# KiCad board PETER.kicad_pcb (continued)
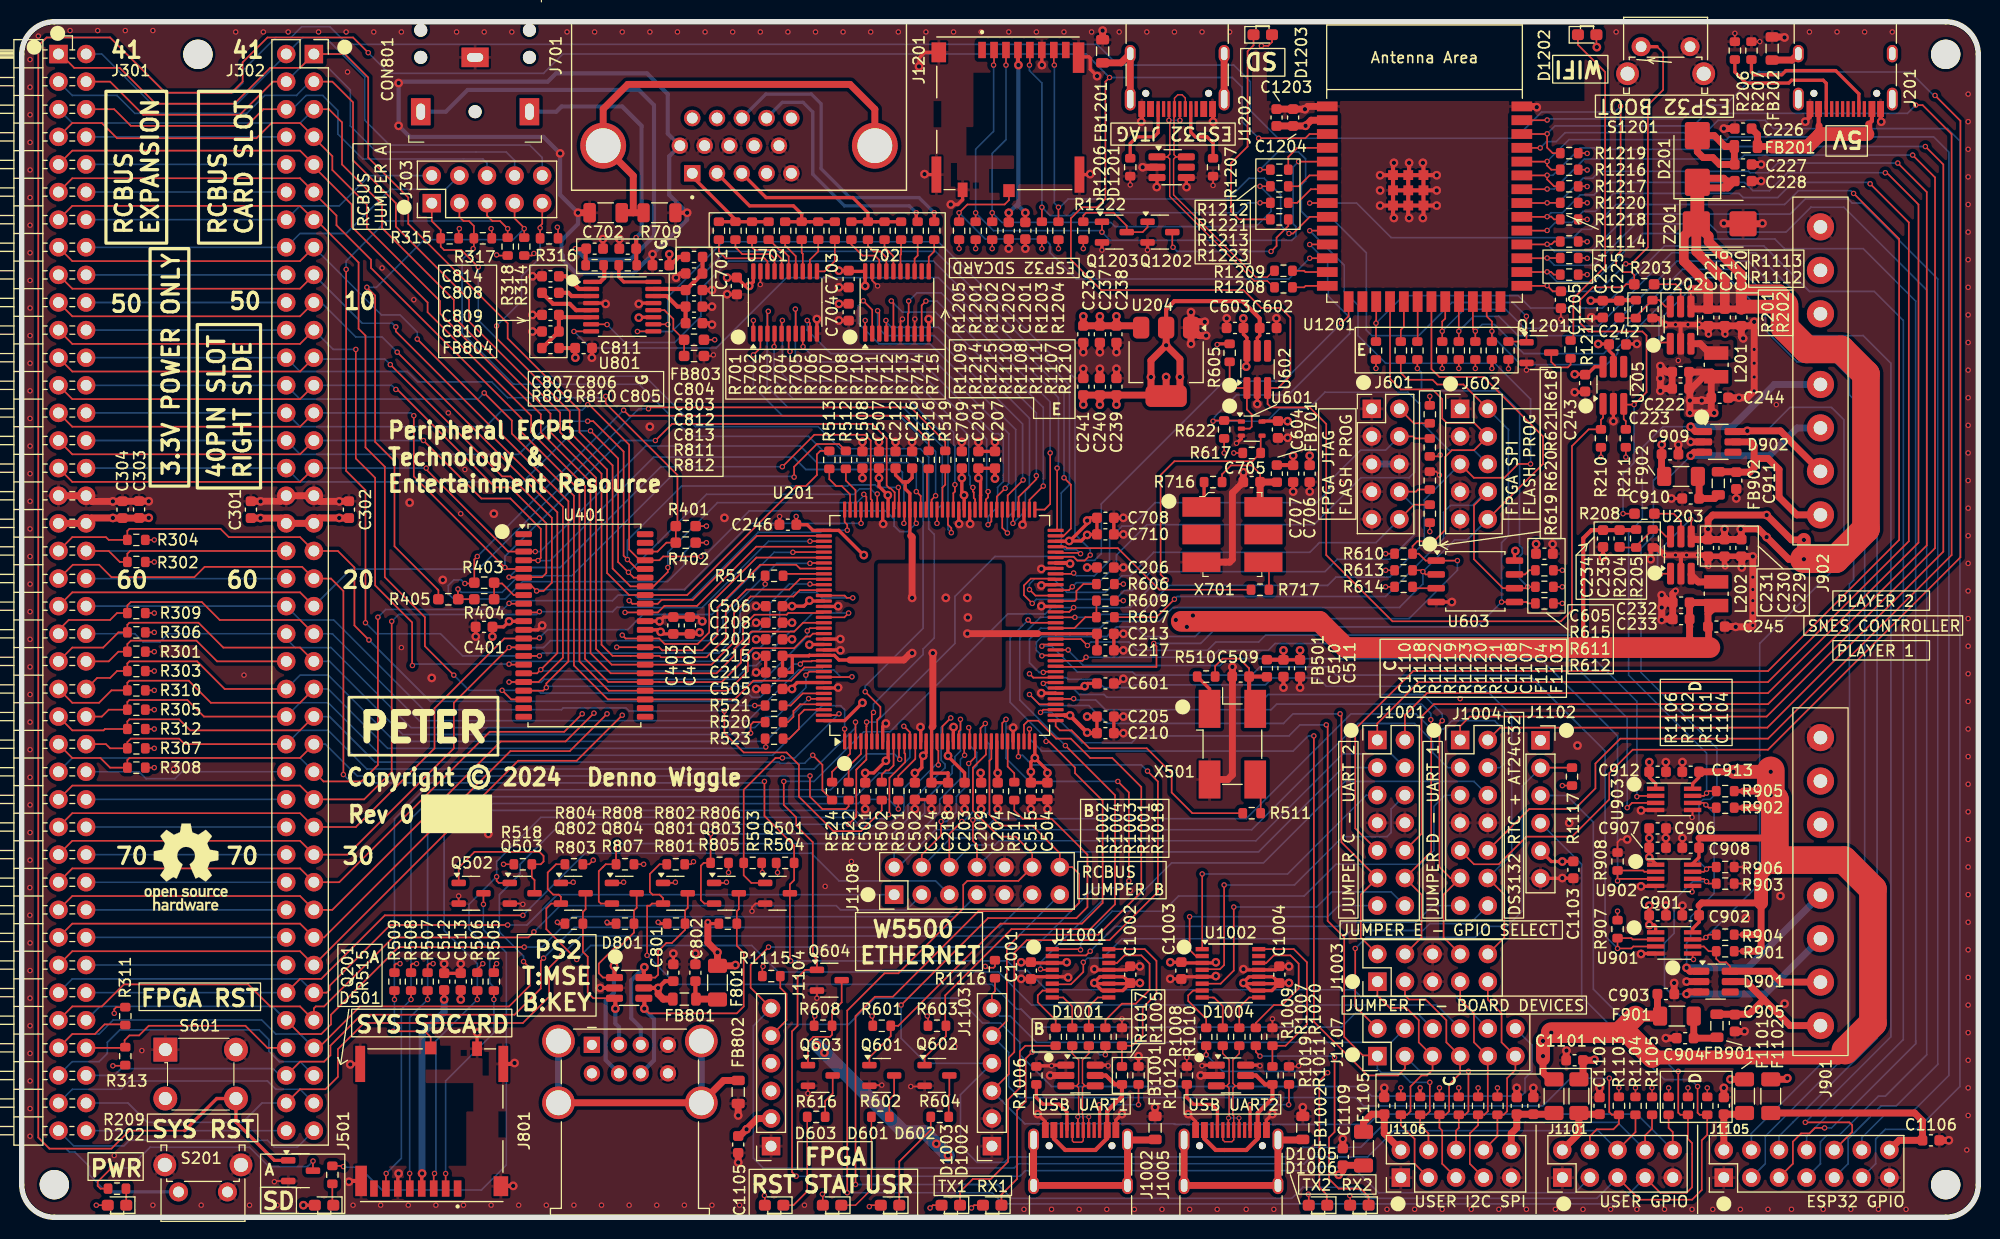
[diagram p0: board, top side]
## Routing (per net, layer and track width the routed paths; a pad name or vN(x,y) marks a point on that pad's centre or on a via; arc(x,y) is an arc through that point) (continued)
FPGA_CRESET_N: length 180.5
  Top w0.152: v2(105.28,58.64) 104.78,59.15 104.78,68.29 106.05,69.56 113.22,69.56 R617.2 113.98,71.79 U601.4 ; v2(96.77,56.1) 96.37,55.7 U201.57 ; v2(70.11,40.1) 70.11,37.94 71.25,36.8 71.25,36.03 72.77,34.51 72.77,24.1 73.15,23.72 73.15,23.59 73.16,23.58 Q604.1 72.07,22.76 71.37,22.06 71.37,17.62 70.87,17.11 70.87,4.16 v2(71.25,3.78)
  Bottom w0.152: J1101.3 142.88,2.25 124.84,2.25 122.43,4.67 119.13,4.67 118.75,4.28 92.33,4.28 91.82,3.78 v2(71.25,3.78) ; v2(105.28,58.64) 104.52,58.64 101.98,56.1 v2(96.77,56.1) 94.74,56.1 94.16,55.52 90.73,55.52 79.88,44.67 77.47,44.67 72.9,40.1 v2(70.11,40.1)
FPGA_GPIO0: length 57.6
  Top w0.152: J1003.2 123.19,25.75 123.19,29.69 J1001.11 121.41,34.51 121.41,46.19 v2(121.29,46.32) ; U201.40 93.61,47.2 v2(92.71,48.1)
  Bottom w0.152: v2(121.29,46.32) 116.97,46.32 116.08,45.43 116.07,45.44 99.82,45.44 98.17,47.08 93.73,47.08 v2(92.71,48.1)
FPGA_GPIO1: length 59.9
  Top w0.152: U201.41 96.76,47.7 v2(96.77,47.72) ; J1003.4 128.78,25.74 128.78,29.69 J1001.12 129.67,33.63 129.67,45.75 v2(129.64,45.78)
  Bottom w0.152: v2(96.77,47.72) 96.9,47.59 98.81,47.59 99.7,46.7 114.94,46.7 115.44,47.21 128.78,47.21 129.64,46.35 v2(129.64,45.78)
FPGA_GPIO2: length 64
  Top w0.152: v2(130.68,45.69) 130.43,45.43 130.43,32.22 131.44,31.21 J1004.11 130.81,29.69 130.81,25.75 J1003.8 ; v2(93.98,49.12) 94.07,49.2 U201.44
  Bottom w0.152: v2(93.98,49.12) 94.49,48.61 96.77,48.61 97.28,48.1 99.57,48.1 99.82,47.85 114.43,47.85 114.68,48.1 128.91,48.1 130.68,46.32 v2(130.68,45.69)
FPGA_GPIO3: length 73.4
  Top w0.152: J1003.10 136.4,25.74 136.4,29.69 J1004.12 ; v2(92.71,50) 93.06,49.65 94.9,49.65 94.95,49.7 U201.45
  Bottom w0.152: v2(92.71,50) 93.06,49.65 96.11,49.65 96.27,49.5 98.81,49.5 99.57,48.73 102.11,48.73 102.36,48.99 114.43,48.99 115.06,49.62 119.25,49.62 120.02,48.86 134.37,48.86 137.08,46.14 137.08,33.42 J1004.12
FPGA_GPIO4: length 81.8
  Top w0.152: v2(133.1,13.43) 133.1,9.75 132.78,9.43 132.21,9.43 ; J1107.3 127.26,13.68 126.62,13.05 123.83,13.05 118.87,18 v2(118.87,44.29) ; v2(92.71,44.92) U201.35 ; J1106.6 131.96,7.97 132.21,8.22 R1123.1
  Bottom w0.152: v2(92.71,44.92) 92.71,44.04 93.85,42.89 116.97,42.89 118.36,44.29 v2(118.87,44.29) ; v2(133.1,13.43) 128.65,13.43 J1107.3
FPGA_GPIO5: length 76.5
  Top w0.152: J1106.4 129.42,7.71 128.65,8.48 R1122.1 ; v2(120.02,45.31) 120.14,45.18 120.14,27.27 121.67,25.75 121.67,16.6 123.38,14.89 124.65,14.89 J1107.1 ; U201.39 93.98,46.7 v2(93.73,46.45) ; v2(129.54,12.41) 129.54,9.75 129.22,9.43 128.65,9.43
  Bottom w0.152: J1107.1 124.71,13.68 125.1,13.3 126.87,13.3 127.76,12.41 v2(129.54,12.41) ; v2(120.02,45.31) 117.6,45.31 116.59,44.29 102.74,44.29 102.11,43.66 97.54,43.66 94.74,46.45 v2(93.73,46.45)
FPGA_RESET_N: length 60.1
  Top w0.152: v2(118.49,89.5) 118.5,89.51 U1201.11 ; v2(109.6,73.25) 109.67,73.31 112.11,73.31 U601.1
  Bottom w0.152: v2(118.49,89.5) 120.14,87.85 120.14,85.44 120.21,85.37 120.21,84.74 122.17,82.77 122.17,81.31 116.52,75.66 111.76,75.66 109.73,73.63 109.73,73.37 v2(109.6,73.25) 114.55,73.25 115.7,74.39 118.37,74.39 119.9,75.91 127.51,75.91 128.52,74.9 128.65,74.9 128.65,73.25 131.33,70.57 133.61,70.57 J602.6
FPGA_SPI_CLK: length 83.5
  Top w0.152: v2(106.05,56.86) 104.39,55.21 R607.1 ; R1215.2 v2(128.4,78.1) ; R611.2 v2(138.56,58.01) 138.43,57.88 U603.6 136.27,57.88 133.61,60.55 133.61,65.5 J602.8
  Bottom w0.152: v2(128.4,78.1) 128.78,77.72 128.78,76.17 128.91,76.04 135.89,76.04 137.8,74.13 137.8,61.82 138.04,61.57 138.04,61.05 137.8,60.8 137.8,58.77 v2(138.56,58.01) ; v2(106.05,56.86) 106.3,57.12 125.48,57.12 130.81,62.45 130.81,64.86 131.45,65.5 133.48,65.5 134.74,66.76 J602.8
FPGA_SPI_CS_N: length 85.5
  Top w0.152: U201.49 93.9,51.7 v2(93.85,51.66) ; 125.73,84.1 U1201.18 125.88,77.16 126.87,76.17 129.8,76.17 130.68,75.28 130.68,73.5 131.07,73.11 133.61,73.11 J602.4 133.61,70.58 131.57,70.58 130.94,69.94 130.94,63.21 129.92,62.2 128.4,62.2 127.95,61.75 R610.2 128.52,61.05 129.16,60.42 U603.1 v2(132.08,60.42)
  Bottom w0.152: v2(132.08,60.42) 132.08,59.53 127.64,55.08 109.6,55.08 107.95,53.43 103.38,53.43 102.49,54.32 100.71,54.32 99.82,53.43 93.85,53.43 93.35,52.93 93.35,52.16 v2(93.85,51.66)
FPGA_SPI_MISO: length 83.5
  Top w0.152: U603.2 129.16,59.15 v2(128.91,59.4) 128.78,59.53 R613.2 ; v2(93.98,50.13) 94.05,50.2 U201.46 ; U1201.21 129.69,78.05 130.43,77.31 134.49,77.31 139.95,71.85 139.95,69.31 J602.10
  Bottom w0.152: J602.10 132.97,62.32 131.83,62.32 v2(128.91,59.4) 128.91,58.26 126.75,56.1 105.92,56.1 104.65,54.83 99.82,54.83 99.19,54.2 93.73,54.2 92.71,53.18 92.71,51.02 93.6,50.13 v2(93.98,50.13)
FPGA_SPI_MOSI: length 77.7
  Top w0.152: v2(136.14,56.61) U603.5 138.43,56.61 138.56,56.48 R612.2 ; U201.47 95.18,50.64 104.39,50.64 104.39,52.55 v2(104.14,52.8) ; J602.2 132.63,76.62 130.23,76.62 129.8,77.06 127.51,77.06 126.87,77.69 R1214.2
  Bottom w0.152: J602.2 136.78,72.47 136.78,62.7 136.14,62.07 v2(136.14,56.61) 133.86,54.32 109.98,54.32 108.46,52.8 v2(104.14,52.8)
FPGA_UART1_RX: length 71.2
  Top w0.152: v2(84.58,36.42) 84.58,35.15 82.8,33.36 J1108.4 ; U201.25 87.71,42.33 v2(87.12,41.75)
  Bottom w0.152: J1108.4 85.47,34.89 88.9,34.89 89.66,35.65 113.16,35.65 122.94,45.43 128.14,45.43 129.8,43.78 129.8,42.77 131.19,41.37 J1004.3 ; v2(87.12,41.75) 87.12,39.84 85.98,38.7 85.98,37.3 85.09,36.42 v2(84.58,36.42)
FPGA_UART1_TX: length 82.5
  Top w0.152: U201.23 86.71,42.55 v2(86.74,42.51)
  Bottom w0.152: v2(86.74,42.51) 86.36,42.13 86.36,40.35 84.46,38.45 84.46,37.3 80.9,33.75 80.52,33.75 80.26,33.49 J1108.2 80.64,32.22 84.08,35.65 88.52,35.65 89.54,36.67 112.65,36.67 122.3,46.32 128.27,46.32 129.67,44.92 130.81,44.92 131.57,45.69 135.51,45.69 136.4,44.8 136.4,41.75 136.02,41.37 J1004.4
FPGA_UART2_RX: length 57
  Top w0.152: U201.26 88.21,44.99 v2(88.65,45.43) ; v2(87.5,36.54) 87.5,34.64 87.88,34.26 J1108.8
  Bottom w0.152: v2(87.5,36.54) 88.2,36.54 89.03,37.37 89.03,43.53 88.65,43.91 v2(88.65,45.43) ; J1108.8 89.28,33.62 113.79,33.62 121.55,41.37 J1001.3
FPGA_UART2_TX: length 62.3
  Top w0.152: v2(86.49,36.42) 85.34,35.27 J1108.6 ; U201.24 87.21,44.97 v2(87.12,45.05)
  Bottom w0.152: J1108.6 87.38,34.26 89.54,34.26 89.92,34.64 113.54,34.64 121.54,42.64 125.98,42.64 J1001.4 ; v2(86.49,36.42) 86.62,36.42 87.5,37.3 87.5,41.2 87.86,41.55 87.86,42.77 87.22,43.4 87.22,44.95 v2(87.12,45.05)
GPIO0: length 23.9
  Top w0.152: J1106.3 128.14,4.92 128.14,7.21 126.87,8.48 R1118.1 127.45,9.43 127.76,9.75 127.76,12.03 128.78,13.05 129.29,13.05 129.8,13.56 J1107.5 128.52,16.1 128.52,18.13 127.38,19.27 125.86,19.27 124.72,20.41 J1003.1
GPIO1: length 22.8
  Top w0.152: J1106.5 130.68,4.92 130.68,7.97 130.43,8.22 R1119.1 131.01,9.43 131.32,9.75 131.32,12.22 132.33,13.24 J1107.7 131.06,16.1 131.06,18.13 129.16,20.03 127.64,20.03 127.26,20.41 J1003.3
GPIO2: length 20.6
  Top w0.152: J1003.7 132.34,20.03 133.61,18.76 133.61,16.1 J1107.9 134.88,9.75 134.56,9.43 R1120.1 133.99,8.48 133.22,7.71 133.22,4.92 J1106.7
GPIO3: length 18.1
  Top w0.152: J1003.9 134.88,20.03 136.14,18.76 136.14,16.1 J1107.11 137.42,13.56 136.65,12.79 136.65,9.75 136.34,9.43 R1121.1 135.76,7.46 J1106.8
MEM_A20_CE2_N: length 83
  Top w0.152: v2(40.77,58.31) 41.63,58.31 ; R402.1 v2(62.99,62.07) ; v2(41.91,60.8) 41.63,60.52 R403.1 ; R516.2 83.44,71.47 81.15,73.75 55.88,73.75 v2(55.37,74.26)
  Bottom w0.152: v2(55.37,74.26) v2(41.91,60.8) ; v2(40.77,58.31) 40.44,58.64 39.75,58.64 39.24,58.13 39.24,57.37 39.75,56.86 39.78,56.89 44.48,56.89 46.07,58.49 59.41,58.49 60.96,60.04 60.96,61.18 61.85,62.07 v2(62.99,62.07)
MEM_CE_CE2_N: length 44.6
  Top w0.152: v2(71.06,68.1) 71.06,69.05 73.15,71.14 75.19,71.14 R512.2 ; v2(40.13,57.8) 40.13,56.89 R405.1 R404.1
  Bottom w0.152: 40.22,57.71 40.44,57.5 44.2,57.5 45.72,59.02 50.59,59.02 59.74,68.17 70.99,68.17 v2(71.06,68.1)
MEM_CE_N: length 51.7
  Top w0.152: R314.1 v2(46.23,90.96) 46.23,91.03 45.34,91.91 45.34,91.92 J303.7 ; R405.2 38.33,57.7 34.29,61.74 34.29,69.56 32.51,71.34 32.51,84.8 v2(31.75,85.56)
  Bottom w0.152: v2(46.23,90.96) 45.21,89.95 37.02,89.95 32.64,85.56 v2(31.75,85.56)
MEM_OE_N: length 68.8
  Top w0.152: v2(43.69,82.01) 43.69,80.87 50.42,74.13 50.42,72.23 53.85,68.8 53.85,59.28 55.88,57.24 55.89,57.25 U401.37 61.22,57.25 71.25,67.28 72.14,67.28 73.15,68.29 73.15,70.2 73.47,70.52 R513.2 ; R316.1 v2(47.69,91.03) 47.69,91.22 47.89,91.41 47.89,93.31
  Bottom w0.152: v2(47.69,91.03) 47.69,88.3 45.97,86.58 45.97,84.3 v2(43.69,82.01)
MEM_WE_N: length 99.3
  Top w0.152: v2(31.62,54.7) 31.62,66.9 29.85,68.67 v2(29.85,87.22) ; J303.5 42.8,92.16 43.31,91.66 44.01,91.66 v2(44.7,90.96) R318.1 ; v2(47.63,51.66) 47.62,51.65 U401.15 ; v2(68.39,58.26) R514.2
  Bottom w0.152: v2(44.7,90.96) 44.01,91.66 33.53,91.66 29.85,87.98 v2(29.85,87.22) ; v2(68.39,58.26) 68.39,58.07 66.09,55.77 66.09,53.87 64.14,51.91 47.88,51.91 v2(47.63,51.66) 40.56,51.66 38.53,53.69 32.64,53.69 v2(31.62,54.7)
PS2_KEYB_CLK: length 40.6
  Top w0.152: v2(85.47,45.94) 84.71,45.17 U201.19 ; v2(63.37,35.27) R806.2 62.74,32.61 62.48,32.35 62.48,29.18 62.8,28.86 Q803.2
  Bottom w0.152: v2(85.47,45.94) 84.59,45.06 84.59,42.04 84.96,41.67 84.96,41.36 81.54,37.94 81.54,36.67 80.14,35.27 v2(63.37,35.27)
PS2_KEYB_DAT: length 49.4
  Top w0.152: U201.22 86.21,44.69 86.36,44.85 v2(86.36,45.81) ; v2(54.74,34.38) 54.67,34.32 R808.2 53.72,32.48 53.09,31.84 53.09,29.05 53.28,28.86 Q804.2
  Bottom w0.152: v2(54.74,34.38) 80.27,34.38 83.06,37.18 83.07,37.18 83.07,38.33 85.6,40.86 85.6,41.5 85.85,41.74 85.85,42.38 86.36,42.89 v2(86.36,45.81)
PS2_MOUSE_CLK: length 87.7
  Top w0.152: R802.2 58.67,32.48 57.79,31.59 57.79,29.94 58.04,29.69 58.67,29.69 59,29.36 Q801.2 57.98,28.86 57.79,28.67 57.53,28.67 v2(57.53,24.1)
  Bottom w0.152: v2(57.53,24.1) 60.2,21.43 89.28,21.43 91.57,19.14 91.95,19.14 93.6,17.49 121.41,17.49 122.68,18.76 128.4,18.76 J1107.6
PS2_MOUSE_DAT: length 97.9
  Top w0.152: R804.2 49.15,32.48 48.39,31.72 48.39,30.19 48.9,29.69 49.4,29.69 49.6,29.49 Q802.2 48.71,28.86 48.26,28.41 48.26,26.51 v2(51.05,23.72)
  Bottom w0.152: v2(51.05,23.72) 52.35,25.01 67.16,25.01 69.6,22.57 89.85,22.57 92.9,19.53 130.18,19.53 J1107.8
RCBUS_I2C_SCL: length 96.5
  Top w0.152: v2(48.01,23.84) 47.75,23.59 47.75,21.05 45.34,18.64 31.24,18.64 28.4,15.79 28.4,14.9 27.81,14.32 25.6,14.32 J302.78
  Bottom w0.152: J301.78 8.51,13.05 9.14,13.68 23.11,13.68 23.75,13.05 J302.78 ; J1108.11 89.94,26.66 50.83,26.66 v2(48.01,23.84)
RCBUS_I2C_SDA: length 102
  Top w0.152: v2(49.66,24.1) 48.52,22.95 48.52,20.29 46.1,17.87 31.5,17.87 29.08,15.46 29.08,12.92 27.94,11.78 25.6,11.78 J302.79
  Bottom w0.152: v2(49.66,24.1) 51.44,25.88 91.7,25.88 J1108.13 ; J301.79 9.78,10.51 11.56,8.73 20.32,8.73 22.1,10.51 J302.79
RCBUS_UART1_RX: length 87.9
  Top w0.152: v2(47.12,26.26) 46.61,25.75 34.16,25.75 27.81,19.4 27.05,19.4 26.87,19.22 J302.36 25.6,19.4 22.86,19.4 20.83,21.43 9.4,21.43 7.37,19.4 4.65,19.4 J301.36
  Bottom w0.152: J1108.3 81.41,28.29 75.31,28.29 74.93,28.67 49.53,28.67 v2(47.12,26.26)
RCBUS_UART1_TX: length 81.9
  Top w0.152: J302.35 28.07,20.67 28.32,20.92 28.32,21.3 33.91,26.89 v2(44.7,26.89)
  Bottom w0.152: J301.35 4.65,21.94 25.6,21.94 J302.35 ; J1108.1 49.27,29.68 46.48,26.89 v2(44.7,26.89)
RCBUS_UART2_RX: length 89.4
  Top w0.152: v2(46.23,24.86) 34.67,24.86 28.45,18.64 28.45,17.75 27.56,16.86 25.6,16.86 J302.76
  Bottom w0.152: v2(46.23,24.86) 47.88,24.86 50.67,27.65 85.85,27.65 J1108.7 ; J302.76 23.06,19.4 7.19,19.4 J301.76
RCBUS_UART2_TX: length 86.3
  Top w0.152: J302.75 25.6,21.94 27.56,21.94 33.4,27.78 v2(46.1,27.78)
  Bottom w0.152: v2(46.1,27.78) 51.82,33.5 72.64,33.5 75.18,30.95 84.07,30.95 J1108.5 ; J301.75 J302.75
RGB_BLUE0: length 36.3
  Top w0.152: v2(90.68,62.96) 90.21,63.43 U201.79 ; U702.2 78.24,83.5 v2(77.42,84.32)
  Bottom w0.152: v2(77.42,84.32) 76.96,83.86 76.96,82.26 78.87,80.36 83.57,80.36 91.44,72.48 91.44,65.12 90.68,64.36 v2(90.68,62.96)
RGB_BLUE1: length 29.2
  Top w0.152: U702.3 78.89,83.25 v2(78.74,83.41) ; U201.78 90.71,66.41 v2(92.13,67.84)
  Bottom w0.152: v2(78.74,83.41) 78.74,81.88 79.5,81.12 83.95,81.12 92.08,72.99 92.08,67.89 v2(92.13,67.84)
RGB_BLUE2: length 29.8
  Top w0.152: v2(91.19,63.85) 91.21,63.87 U201.77 ; U702.4 79.54,81.29 79.54,82.48 v2(79.5,82.52)
  Bottom w0.152: v2(91.19,63.85) 92.33,64.99 92.33,66.82 92.71,67.2 92.71,73.5 84.33,81.88 80.01,81.88 79.5,82.39 v2(79.5,82.52)
RGB_BLUE3: length 30.5
  Top w0.152: v2(80,84.31) 80.19,84.11 U702.5 ; v2(93.35,68.23) 93.35,67.91 91.71,66.27 U201.76
  Bottom w0.152: v2(93.35,68.23) 93.35,74.01 84.08,83.28 81.03,83.28 v2(80,84.31) 80.13,84.43
RGB_GREEN0: length 29.3
  Top w0.152: v2(70.68,79.66) 70.56,79.78 U701.6 ; v2(87.5,67.15) 87.5,66.78 87.59,66.7 87.59,66.18 87.71,66.06 U201.84
  Bottom w0.152: v2(70.68,79.66) 70.68,78.14 71.88,76.93 82.14,76.93 87.13,71.94 87.13,68.29 87.25,68.17 87.25,67.4 v2(87.5,67.15)
RGB_GREEN1: length 34.2
  Top w0.152: v2(71.17,83.56) 71.21,83.52 U701.7 ; v2(88.9,66.77) 88.9,66.24 88.71,66.04 U201.82
  Bottom w0.152: v2(88.9,66.77) 88.77,66.9 88.77,71.59 82.55,77.82 72.19,77.82 71.17,78.83 v2(71.17,83.56)
RGB_GREEN2: length 33.2
  Top w0.152: U701.8 71.86,80.13 v2(71.88,80.1) ; v2(88.9,63.72) 89.21,64.03 U201.81
  Bottom w0.152: v2(88.9,63.72) 88.9,64.48 89.78,65.36 89.78,67.16 90.3,67.68 90.3,71.66 89.85,72.1 89.41,72.1 82.8,78.71 73.28,78.71 v2(71.88,80.1)
RGB_GREEN3: length 32.1
  Top w0.152: v2(90.48,67.07) 89.71,66.3 U201.80 ; 72.51,81.31 72.51,82.27 v2(72.26,82.52)
  Bottom w0.152: v2(72.26,82.52) 72.26,81.63 74.42,79.47 83.31,79.47 90.17,72.61 90.3,72.61 90.81,72.1 90.81,67.5 90.48,67.17 v2(90.48,67.07)
RGB_HSYNC: length 27.9
  Top w0.152: v2(93.98,67.28) 92.71,66 U201.74 ; U702.9 82.79,83.9 v2(83.19,84.3)
  Bottom w0.152: v2(83.19,84.3) 84.2,84.3 93.98,74.52 v2(93.98,67.28)
RGB_RED0: length 29.9
  Top w0.152: v2(84.08,66.39) 83.71,66.02 U201.92 ; v2(67.31,79.34) 67.96,79.99 U701.2
  Bottom w0.152: v2(84.08,66.39) 84.08,70.45 80.77,73.75 69.98,73.75 67.31,76.42 v2(67.31,79.34)
RGB_RED1: length 36
  Top w0.152: U701.3 68.61,83.28 v2(68.68,83.36) ; U201.91 84.21,63.85 v2(84.2,63.85)
  Bottom w0.152: v2(68.68,83.36) 68.58,83.25 68.58,76.42 70.49,74.52 81.1,74.52 84.69,70.93 84.69,65.6 84.2,65.12 v2(84.2,63.85)
RGB_RED2: length 33.5
  Top w0.152: U201.89 85.21,63.73 85.52,63.42 v2(85.52,62.98) ; v2(69.22,80.1) 69.26,80.14 U701.4
  Bottom w0.152: v2(85.52,62.98) 85.22,63.29 85.22,71.59 81.54,75.28 70.99,75.28 69.22,77.06 v2(69.22,80.1)
RGB_RED3: length 31.4
  Top w0.152: v2(85.85,67.4) 85.85,66.77 85.71,66.62 U201.88 ; v2(69.98,82.52) 69.91,82.45 69.91,81.31
  Bottom w0.152: v2(69.98,82.52) 69.98,77.56 71.37,76.17 81.79,76.17 85.73,72.22 85.73,71.08 85.85,70.96 v2(85.85,67.4)
RGB_VSYNC: length 31.5
  Top w0.152: U702.7 81.54,81.35 81.54,83.15 81.6,83.22 v2(81.6,84.3) ; U201.73 94.1,65.11 94.62,65.63 v2(94.62,70.33)
  Bottom w0.152: v2(94.62,70.33) 94.62,75.02 84.58,85.06 82.36,85.06 v2(81.6,84.3)
SNES1_DATA_N: length 67.1
  Top w0.152: U903.3 148.14,38.12 v2(147.7,37.69) ; U201.48 97.59,51.2 v2(97.92,51.53)
  Bottom w0.152: v2(147.7,37.69) 147.7,45.94 140.85,52.79 115.31,52.79 114.68,52.16 110.11,52.16 109.48,51.53 v2(97.92,51.53)
SNES2_DATA_N: length 67.8
  Top w0.152: v2(98.05,52.61) 97.45,53.2 U201.52 ; v2(148.59,38.7) 148.66,38.77 U903.2
  Bottom w0.152: v2(98.05,52.61) 98.36,52.93 101.86,52.93 102.62,52.16 109.09,52.16 109.86,52.93 113.79,52.93 114.43,53.56 142.5,53.56 148.59,47.47 v2(148.59,38.7)
SNES_CLOCK: length 84.7
  Top w0.152: v2(93.85,52.55) 94.01,52.7 U201.51 ; U901.2 148.21,25.56 148.09,25.69 R907.1 v2(146.81,24.73) ; v2(146.81,24.73) 148.08,24.73 148.27,24.91 U901.3 ; v2(146.81,24.73) 147,24.73
  Bottom w0.152: v2(93.85,52.55) 94.74,52.55 97.11,50.17 102.19,50.17 102.49,49.88 113.16,49.88 113.92,50.64 120.14,50.64 120.9,49.88 138.69,49.88 145.67,42.89 145.67,25.88 v2(146.81,24.73)
SNES_LATCH: length 76.9
  Top w0.152: U902.3 147,31.14 v2(146.81,30.95) R908.1 149.16,31.91 149.28,31.79 U902.2 ; v2(96.27,52.2) U201.50
  Bottom w0.152: v2(96.27,52.2) 96.27,52.16 97.66,50.77 110.24,50.77 110.87,51.4 139.7,51.4 146.81,44.29 v2(146.81,30.95)
SYS_RESET_N: length 376.3
  Top w0.152: U205.1 145.48,73.57 145.29,73.37 R210.2 144.16,72.5 142.62,70.96 142.62,55.85 141.61,54.83 126.11,54.83 120.02,60.93 120.02,72.99 118.49,74.52 114.94,74.52 114.62,74.84 U602.3 115.58,76.3 116.71,77.44 116.71,82.77 115.83,83.66 114.05,83.66 112.4,85.31 99.32,85.31 96.52,88.11 96.52,91.91 97.54,92.93 98.93,92.93 99.7,93.69 99.7,104.49 v2(100.08,104.87) ; 14.99,7.97 9.91,7.97 8.26,6.32 2.54,6.32 1.53,7.33 1.53,107.79 2.29,108.55 8.13,108.55 13.21,103.47 19.3,103.47 20.32,104.49 20.32,106.27 22.61,108.55 30.48,108.55 v2(31.88,107.16) ; v2(113.79,99.28) 118.09,99.28 118.48,99.67 U1201.3
  Top w0.305: Q201.1 23.24,5.23 19.71,8.77 S601.4 17.94,10.93 14.99,7.97
  Bottom w0.152: v2(31.88,107.16) 33.78,105.25 48.01,105.25 49.78,107.03 97.92,107.03 v2(100.08,104.87) 111.38,104.87 112.27,103.98 112.27,100.8 v2(113.79,99.28)
USER_I2C_SCL: length 179.5
  Top w0.152: U201.27 88.71,42.57 87.5,41.37 87.5,37.43 89.92,35.02 91.44,35.02 92.96,33.5 J1108.12 91.7,30.95 87,30.95 86.61,30.57 86.61,28.41 80.65,22.45 79.38,22.45 75.95,19.02 v2(75.95,2.25) ; v2(152.4,13.43) 152.4,9.62 152.59,9.43 R1102.1 153.29,7.21 153.67,6.82 153.67,2.76 153.16,2.25 150.75,2.25 J1101.7
  Bottom w0.152: v2(152.4,13.43) 152.15,13.43 144.59,20.99 144.59,36.35 142.14,38.8 J1102.3 ; v2(75.95,2.25) 89.28,2.25 90.3,1.24 146.94,1.24 J1101.7
USER_I2C_SDA: length 184.5
  Top w0.152: U201.28 89.21,42.18 89.03,42 89.03,37.05 90.04,36.03 92.96,36.03 95.5,33.5 J1108.14 96.65,32.22 97.28,31.59 97.28,28.92 96.52,28.16 88.01,28.16 80.14,20.29 78.49,20.29 76.71,18.51 v2(76.71,3.01) ; v2(154.18,12.03) 154.18,9.62 154.37,9.43 R1101.1 155.07,7.59 154.56,7.08 154.56,2.51 153.67,1.62 148.84,1.62 J1101.5
  Bottom w0.152: J1101.5 144.91,1.75 123.83,1.75 122.81,2.76 117.86,2.76 116.84,1.75 91.06,1.75 89.79,3.01 v2(76.71,3.01) ; J1102.4 143.51,32.48 143.51,20.29 151.13,12.67 153.54,12.67 v2(154.18,12.03)
USER_SPI_CLK: length 126.6
  Top w0.152: 149.35,6.19 148.85,5.68 ; J1101.8 149.35,7.52 149.99,8.16 R1105.1 ; R517.1 91.31,37.43 92.08,36.67 94.74,36.67 98.05,33.37 98.05,28.54 97.03,27.53 88.9,27.53 v2(80.9,19.53)
  Bottom w0.152: J1101.8 146.81,8.73 125.48,8.73 123.19,6.44 117.86,6.44 116.97,5.56 90.93,5.56 90.42,5.05 87.89,5.05 86.36,6.57 86.36,11.27 J1103.4 83.21,14.17 80.9,16.48 v2(80.9,19.53)
USER_SPI_CS_N: length 119.5
  Top w0.152: v2(146.05,12.79) 146.05,9.68 146.3,9.43 R1103.1 146.94,8.6 146.43,8.09 144.91,8.09 144.27,7.46 J1101.4 ; U201.34 92.21,45.31 92.58,45.69 93.52,45.69 95.17,44.04 96.52,44.04 98.3,42.26 100.33,42.26 103,39.59 103,29.94 99.06,26 91.82,26 90.63,24.81 90.63,18.08 J1103.5
  Bottom w0.152: J1103.5 90.81,15.16 90.81,12.03 91.82,11.02 122.68,11.02 123.45,10.25 139.95,10.25 142.5,12.79 v2(146.05,12.79)
USER_SPI_MISO: length 169.7
  Top w0.152: v2(68.71,24.86) 67.06,23.21 67.06,21.13 J1104.6 ; v2(100.84,40.1) 101.86,39.08 v2(101.86,30.95) ; U201.30 90.21,45.47 v2(90.55,45.81) ; J1101.6 148.46,7.84 R1104.1
  Bottom w0.152: v2(90.55,45.81) 90.55,42.23 92.69,40.1 v2(100.84,40.1) ; v2(101.86,30.95) 101.22,30.32 98.68,30.32 93.22,24.86 v2(68.71,24.86) ; J1104.6 67.31,17.62 67.31,5.43 68.2,4.54 91.31,4.54 91.7,4.92 117.98,4.92 118.62,5.56 123.83,5.56 126.24,7.97 145.03,7.97 J1101.6
USER_SPI_MOSI: length 124
  Top w0.152: R1106.1 151.51,8.22 151.89,7.84 J1101.10 ; v2(91.7,42.38) 91.7,43.78 U201.33 ; v2(103.57,41.05) 104.52,40.1 104.52,29.94 100.08,25.49 92.46,25.49 91.31,24.35 91.31,15.19 90.81,14.69 90.81,13.17 J1103.3 ; 151.51,9.18 151.77,9.43
  Bottom w0.152: J1103.3 92.28,8.6 106.05,8.6 106.11,8.54 123.89,8.54 124.84,9.49 148.59,9.49 J1101.10 ; v2(103.57,41.05) 103,41.62 92.96,41.62 92.58,42 92.58,42.01 92.08,42.51 91.82,42.51 v2(91.7,42.38)
Net-(C802-Pad1): length 3.7
  Top w0.381: C802.1 61.98,20.12 FB801.2 ; 63.97,20.07 F801.1
  Top w0.635: FB801.2 63.97,20.07
Net-(C904-Pad1): length 4.1
  Top w0.635: FB901.1 155.88,16.48 C904.1 153.82,16.49 153.82,18.38
Net-(C910-Pad1): length 4
  Top w0.635: F902.2 154.32,68.05 C910.1 155.75,66.13 FB902.1
Net-(D201-A): length 10.9
  Top w0.635: 154.69,97.5 154.15,98.04 D201.2 155.71,99.53 156.72,98.52 FB201.2 157.56,96.9 C227.1 156.21,96.87 155.58,97.5 154.69,97.5
Net-(D202-Pad1): length 1.7
  Top w0.152: 9.59,1.13 D202.1 9.61,2.61 R209.1 9.59,2.51
Net-(D501-Pad1): length 2
  Top w0.152: R515.1 28.58,1.2 D501.1
Net-(D601-Pad1): length 10.2
  Top w0.127: D601.1 76.71,1.11 78.17,2.57 R602.1
  Top w0.152: 78.17,9.11 78.3,9.24
Net-(D602-Pad1): length 9.3
  Top w0.152: D602.1 80.73,5.13 83.63,8.03 83.63,9.24
Net-(D603-Pad1): length 9.6
  Top w0.127: R616.1 72.27,2.38 72.2,2.32
  Top w0.152: 72.2,2.32 70.99,1.11 D603.1
Net-(D1002-Pad1): length 22.9
  Top w0.152: v2(99.7,14.95) R1001.1 ; v2(92.96,15.21) 92.36,14.6 92.36,10.63 91.57,9.84 91.57,3.52 90.13,2.09 D1002.1
  Bottom w0.152: v2(92.96,15.21) 93.03,15.14 99,15.14 99.19,14.95 v2(99.7,14.95)
Net-(D1003-Pad1): length 20.9
  Top w0.152: R1002.1 92.33,15.78 91.82,15.27 91.82,11.91 90.74,10.83 90.74,5.11 89.15,3.52 87.5,3.52 86.32,2.34 D1003.1
Net-(D1005-Pad1): length 24.5
  Top w0.152: D1005.1 123.91,1.91 123.19,2.63 121.16,2.63 120.27,3.52 120.27,7.33 120.78,7.84 v2(120.78,14.7) ; v2(113.92,14.83) 113.54,15.21 R1007.1
  Bottom w0.152: v2(113.92,14.83) 120.65,14.83 v2(120.78,14.7)
Net-(D1006-Pad1): length 25.5
  Top w0.152: v2(108.97,14.95) R1008.1 ; v2(120.14,13.3) 119.38,12.54 119.38,2.76 120.06,2.08 120.06,1.15 D1006.1
  Bottom w0.152: v2(120.14,13.3) 120.02,13.43 110.49,13.43 v2(108.97,14.95)
Net-(D1202-Pad1): length 30.5
  Top w0.152: R1211.1 142.75,80.93 142.75,84.55 145.67,87.47 145.67,105.38 143.17,107.88 D1202.1
Net-(D1203-Pad1): length 21
  Top w0.152: R1223.1 111.99,91.81 111.25,92.55 111.25,97 112.78,98.52 112.78,107.28 113.32,107.83 D1203.1
Net-(J201-SHIELD): length 20.4
  Top w0.635: FB202.2 162.86,106.47 J201.S1
  In2.Cu w0.635: J201.S1 J201.S1 171.53,102.33 164,102.33 J201.S1 163.45,107.39
Net-(J801-Shield): length 28.7
  Top w0.635: FB802.2 64.57,12.59 J801.9 J801.9
  Bottom w0.635: J801.9 J801.9 ; J801.9 J801.9
Net-(J1002-SHIELD): length 28.5
  Top w0.635: J1002.S1 J1002.S1 J1002.S1 J1002.S1 104.22,7.11 FB1001.2
  In2.Cu w0.635: J1002.S1 93.46,7.48 101.36,7.48 J1002.S1
Net-(J1005-SHIELD): length 28.2
  Top w0.635: J1005.S1 J1005.S1 J1005.S1 J1005.S1 117.81,7.11 FB1002.2
  In2.Cu w0.635: J1005.S1 107.3,7.48 115.21,7.48 J1005.S1
Net-(J1202-SHIELD): length 28.1
  Top w0.635: FB1201.2 101.14,106.22 J1202.S1 J1202.S1 ; J1202.S1 J1202.S1
  In2.Cu w0.635: 102.35,102.58 102.73,102.2 109.87,102.2 110.25,102.58 ; J1202.S1 102.01,107.03 110.59,107.03 J1202.S1
Net-(Q201-C): length 24.4
  Top w0.152: v2(26.8,5.17) 26.79,5.17 Q201.3 ; R209.2 7.24,2.63 6.99,2.89 6.99,3.27 v2(8.26,4.54)
  Bottom w0.152: v2(26.8,5.17) 26.29,4.67 22.73,4.67 20.96,6.44 11.81,6.44 9.91,4.54 v2(8.26,4.54)
Net-(Q502-B): length 14.4
  Top w0.152: Q503.3 47.18,31.02 46.93,31.27 R518.2 47.75,32.48 48.01,32.73 48.01,33.24 47.63,33.62 41.66,33.62 40.2,32.17 Q502.1
Net-(Q502-C): length 43.8
  Top w0.152: v2(42.48,28.8) Q502.3 ; v2(29.59,4.67) 29.53,4.73 R515.2
  Bottom w0.152: v2(29.59,4.67) 29.66,4.6 31.05,4.6 33.15,2.51 42.29,2.51 44.58,4.79 44.58,24.35 42.48,26.45 v2(42.48,28.8)
Net-(Q601-C): length 4
  Top w0.152: Q601.3 80.26,11.26 79.82,10.82 R602.2
Net-(Q602-C): length 3.8
  Top w0.152: R604.2 85.28,11.21 85.35,11.27 85.34,11.28 Q602.3
Net-(Q603-B): length 10.5
  Top w0.152: R608.2 74.55,17.11 ; R608.2 74.55,18.89 75.43,19.77 Q604.3 ; R608.2 74.55,16.79 74.36,16.6 72.84,16.6 72.33,16.1 Q603.1
Net-(Q603-C): length 4.1
  Top w0.152: R616.2 73.92,10.7 74.61,11.39 Q603.3
Net-(Q1201-B): length 46.6
  Top w0.152: R1210.2 138.37,80.57 Q1201.1 138.44,81.37 138.43,81.37 v2(138.43,82.9) ; 138.94,80.57 138.94,80.51 ; R1212.2 v2(113.92,96.39)
  Bottom w0.152: v2(138.43,82.9) 137.16,84.17 131.57,84.17 128.52,81.12 124.21,81.12 123.7,81.63 123.7,88.74 120.4,92.04 118.24,92.04 117.73,92.55 117.73,94.96 118.11,95.34 118.11,97.38 117.48,98.01 115.55,98.01 v2(113.92,96.39)
Net-(Q1201-C): length 3.5
  Top w0.152: R1211.2 142.5,78.45 142.24,78.2 141.23,78.2 140.72,78.71 140.72,79.55 Q1201.3
Net-(Q1202-B): length 8.3
  Top w0.152: R1222.2 97.66,92.17 97.92,92.42 100.46,92.42 101.66,91.22 Q1203.3 103.12,90.64 103.57,91.09 Q1202.1
Net-(Q1202-C): length 14.2
  Top w0.152: v2(114.94,88.87) 115.44,89.38 115.44,90.14 116.52,91.22 R1223.2 ; Q1202.3 105.85,89.32 v2(105.92,89.25)
  Bottom w0.152: v2(105.92,89.25) 106.3,88.87 v2(114.94,88.87)
Net-(U201G-CFG_1): length 4.8
  Top w0.152: 98.87,58.26 97.66,58.26 97.03,57.62 97.03,56.86 96.87,56.7 U201.59
Net-(X501-OUT): length 3.3
  Top w0.152: X501.3 113.98,39.77 R511.2
Net-(X701-OUT): length 2.8
  Top w0.152: R717.2 114.74,59.76 X701.4

## Copper pours and planes (outline as drawn; the poured copper is in the pictures)
+1V1 on In2.Cu: 76.84,62.07 92.08,62.07 92.08,46.83 76.84,46.83
+2V5 on Top: 78.74,60.16 90.17,60.16 90.17,48.73 78.74,48.73
+2V5 on In2.Cu: 81.28,57.62 87.63,57.62 87.63,51.27 81.28,51.27
+3.3V on Top: 156.97,55.34 155.83,55.34 155.83,52.04 152.78,52.04 152.78,56.86 156.97,56.86
+3.3V on Top: 157.23,76.42 156.08,76.42 156.08,73.63 152.91,73.63 152.91,78.33 157.23,78.2
+3.3V on In2.Cu: -3.81,114.14 184.15,114.14 184.15,-3.97 -3.81,-3.97
+5V on Top: 158.75,85.82 153.29,85.82 153.29,84.93 153.26,84.85 153.26,82.87 154.05,82.87 154.05,83.13 158.7,83.13
+5V on Top: 158.7,63.77 154.18,63.77 154.18,63.67 153.26,63.67 153.26,61.69 154.18,61.69 154.18,61.94 158.7,61.94
GND on Top: -2.54,112.87 182.88,112.87 182.88,-2.7 -2.54,-2.7
GND on Top: 153.01,78.91 152.35,78.28 152.35,75.43 150.37,75.43 150.37,78.66 152.35,79.09 152.3,81.73 150.88,81.73 150.88,82.44 154.31,82.39 154.31,82.77 160.02,82.77 160.02,81.12 154.31,81.12 154.31,81.73 153.01,81.73
GND on Bottom: -4.44,114.78 184.79,114.78 184.79,-4.6 -4.44,-4.6
GND on In1.Cu: -3.17,113.5 183.52,113.5 183.52,-3.34 -3.17,-3.34
/Power Supply/SW_1V1 on Top: 156.97,58.01 156.97,59.45 153.98,59.45 153.98,60.27 153.26,60.27 153.26,58.08
/Power Supply/SW_3V3 on Top: 157.48,78.96 157.48,80.74 153.98,80.74 153.98,81.55 153.26,81.55 153.29,78.96
FPGA_CDONE on Top: 153.01,58.21 152.35,57.09 152.35,54.6 150.5,54.58 150.5,57.62 152.35,58.13 152.3,60.55 150.88,60.55 151,61.18 154.31,61.31 154.31,61.54 159.64,61.54 159.64,59.91 154.33,59.91 154.31,60.55 153.01,60.55

## Text on the board
B.Silkscreen: Rev 0 | Denno Wiggle | Copyright © 2024 | MEM  OE / MEM  CE / MEM  WE / x CUST / x DREQ0 / x TEND0 / DREQ1 / TEND1 / x A23 / x A22 / x A21 / A20 / A19 / A18 / A17 / A16 / GND / 3V3 / x RFSH / x PAGE / SRC CLK / BUSACK / x HALT / BUSRQ / WAIT / NMI / x D8 / x D9 / x D10 / x D11 / x D12 / x D13 / x D14 / x D15 / TX2 / RX2 / x    INT2 / SCL / SDA / x USER8 | A15 / A14 / A13 / A12 / A11 / A10 / A9 / A8 / A7 / A6 / A5 / A4 / A3 / A2 / A1 / A0 / GND / 3V3 / M1 / RESET / PHI CLK / INT0 / MREQ / WR / RD / IORQ / D0 / D1 / D2 / D3 / D4 / D5 / D6 / D7 / TX1 / RX1 / INT1 / x USER2 / x USER3 / x USER4 | PETER
F.Silkscreen: TX1 | RX1 | USB UART1 | RCBUS / JUMPER B | USB UART2 | TX2 | JUMPER E - GPIO SELECT | RX2 | JUMPER F - BOARD DEVICES | USER I2C SPI | USER GPIO | ESP32 GPIO | SNES CONTROLLER | PLAYER 2 | PLAYER 1 | RCBUS / JUMPER A | FPGA JTAG / FLASH PROG | JUMPER C - UART 2 | JUMPER D - UART 1 | DS3132 RTC + AT24C32 | FPGA SPI / FLASH PROG | R618 | R621 | R620 | R619 | ESP32 SDCARD | A | B | E | G | C | D | ESP32 JTAG | ESP32 BOOT | Peripheral ECP5 / Technology & / Entertainment Resource | Copyright © 2024 | Rev 0 | Denno Wiggle | PWR | 41 | 50 | 60 | 70 | FPGA RST | SYS RST | SD | 20 | 30 | 10 | SYS SDCARD | PS2 / T:MSE / B:KEY | RST | STAT | FPGA | W5500 / ETHERNET | USR | RCBUS / EXPANSION | 3.3V POWER ONLY | 40PIN SLOT / RIGHT SIDE | RCBUS / CARD SLOT | WIFI | 5V | PETER
